# Altium PCB Kello.PcbDoc (part 1 of 2)
Units mm, origin at the board's own origin, x right, y up, seen from the top; angles counter-clockwise.
Board outline 146 x 44 mm, 2 copper layers (Top Layer, Bottom Layer), stack 1.071 mm thick; 130 components, 113 nets, 419 pads, 246 vias.
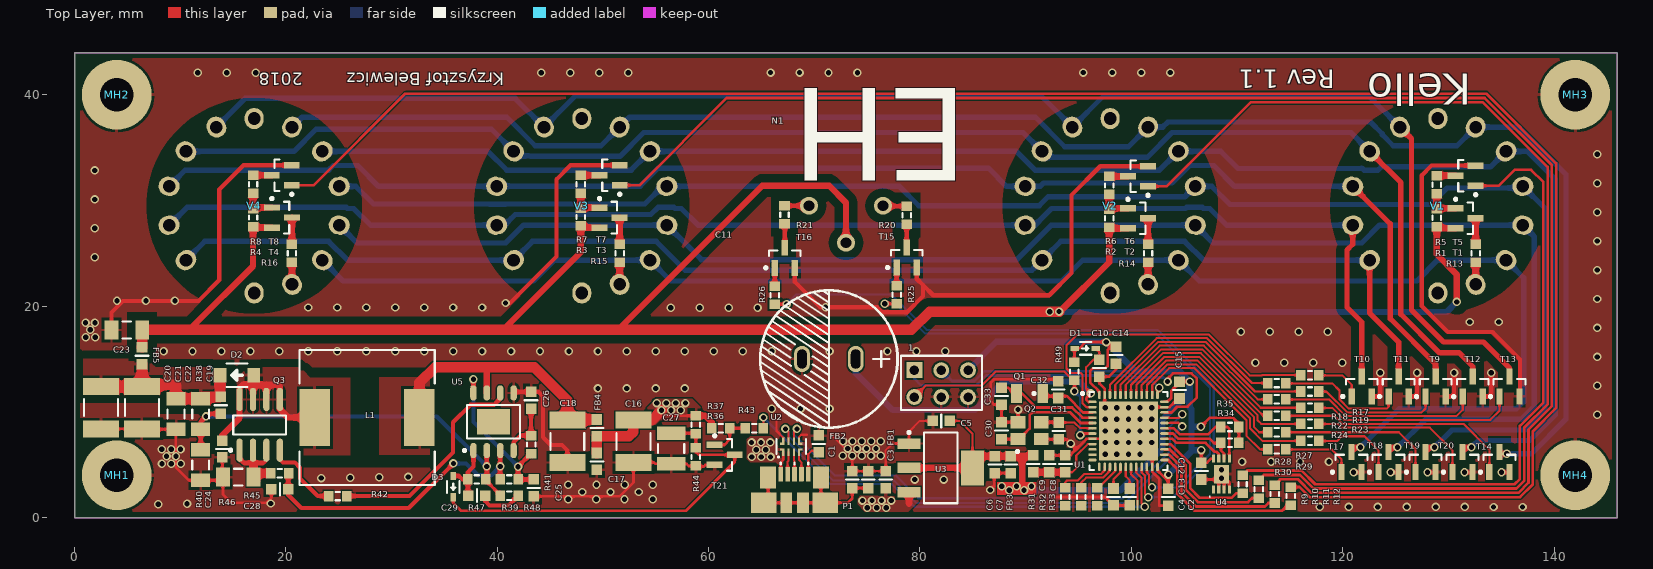
[diagram p0: Top Layer view]
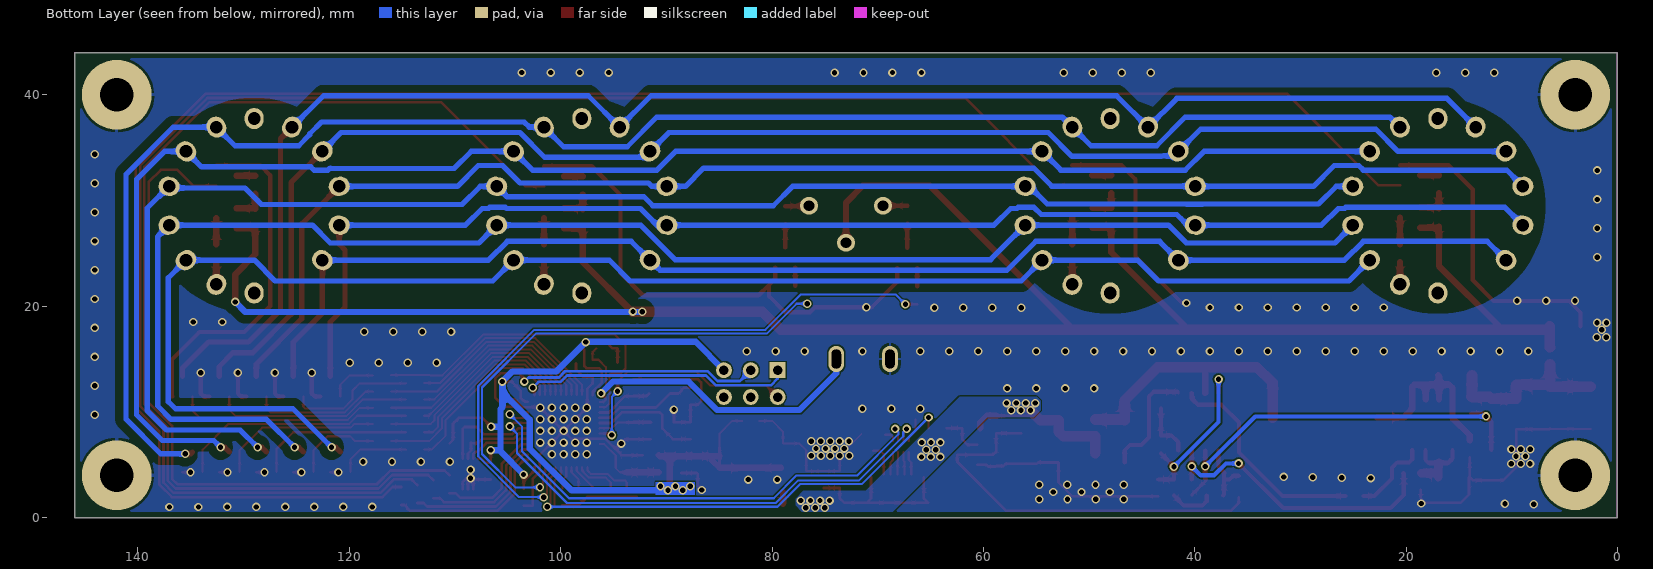
[diagram p1: Bottom Layer view, seen from below]

## Layer stack, top to bottom
Top Solder: solder mask 0.0102, Solder Resist, Dk 3.5
Top Layer: signal copper 0.0356
Dielectric 1: dielectric 1, FR-4, Dk 4.8
Bottom Layer: signal copper 0.0356
Bottom Solder: solder mask 0.0102, Solder Resist, Dk 3.5

## Board outline
0,0 0,44 146,44 146,0

## Design rules (kind name [scope] priority, off if disabled: settings)
Clearance "Clearance Polygon to HV" [InPolygon vs InNetClass('HIGH VOLTAGE')] p1: gap=0.8 ignorepadtopadclearanceinfootprint=FALSE
Clearance "Clearance Polygon to keepout" [OnLayer('Keep-Out Layer') vs InPolygon] p2: gap=0.5 ignorepadtopadclearanceinfootprint=FALSE
Clearance "Clearance Polygon to constraint" [OnLayer('Polygon Constraint') vs InPolygon] p3: gap=0.5 ignorepadtopadclearanceinfootprint=FALSE
Clearance "Schematic Clearance Constraint" [InNetClass('HIGH VOLTAGE')] p4: gap=0.5 ignorepadtopadclearanceinfootprint=FALSE
Clearance "Schematic Clearance Constraint_2" [InNet('NetC19_2')] p5: gap=0.5 ignorepadtopadclearanceinfootprint=FALSE
Clearance [All] p6: gap=0.152 ignorepadtopadclearanceinfootprint=FALSE
DiffPairsRouting [All] p1: maxlimit=1 minlimit=0.203 mostfreqgap=0.254 toplayer_minwidth=0.203 toplayer_maxwidth=0.6 toplayer_prefwidth=0.254 bottomlayer_minwidth=0.203 bottomlayer_maxwidth=0.6 bottomlayer_prefwidth=0.254 maxuncoupledlength=12.7
Height [All] p1: minheight=0 maxheight=100 prefheight=12.7
PlaneConnect [All] p1: pad.planeconnectstyle=Relief pad.reliefexpansion=0.508 pad.reliefentries=4 pad.reliefconductorwidth=0.254 pad.reliefairgap=0.254 via.planeconnectstyle=Direct via.reliefexpansion=0.508 via.reliefentries=4 via.reliefconductorwidth=0.254 via.reliefairgap=0.254
PolygonConnect [All] p1: thpad.connectstyle=Relief thpad.reliefconductorwidth=0.254 thpad.reliefentries=4 thpad.polygonreliefangle="90 Angle" thpad.airgapwidth=0.254 smdpad.connectstyle=Relief smdpad.reliefconductorwidth=0.254 smdpad.reliefentries=4 smdpad.polygonreliefangle="90 Angle" smdpad.airgapwidth=0.254 via.connectstyle=Direct via.reliefconductorwidth=0.254 via.reliefentries=4 via.polygonreliefangle="90 Angle" via.airgapwidth=0.254
RoutingVias [All] p1: holewidth=0.5 width=0.8 viastyle="Through Hole" minholewidth=0.3 minwidth=0.6 maxholewidth=1 maxwidth=2
SolderMaskExpansion [All] p1: expansion=0.102
Width [All] p1: maxlimit=1 minlimit=0.152 preferedwidth=0.254 minimp=50.000000 maximp=50.000000 favimp=50.000000
27 further rules are at their usual default settings.

## Classes and differential pairs
pad class MH: MH1-MH MH2-MH MH3-MH MH4-MH
net class "HIGH VOLTAGE": 170V K_0 K_1 K_2 K_3 K_4 K_5 K_6 K_7 K_8 K_9 NetC19_2 NetC24_2 NetN1_1 NetN1_3 NetR1_2 NetR2_2 NetR3_2 NetR4_2 NetR13_1 NetR13_2 NetR14_1 NetR14_2 NetR15_1 NetR15_2 NetR16_1 NetR16_2 NetR20_2 NetR21_2
component class Kello_uC: C1 C2 C3 C4 C5 C6 C7 C8 C9 C10 C11 C12 C13 C14 C15 C30 C31 C32 C33 D1 FB1 FB2 FB3 P1 Q1 Q2 R31 R32 R33 R34 R35 R49 U1 U2 U3 U4
component class Kello_Nixie: g N1 R1 R2 R3 R4 R5 R6 R7 R8 R9 R10 R11 R12 R13 R14 R15 R16 R17 R18 R19 R20 R21 R22 R23 R24 R25 R26 R27 R28 R29 R30 T1 T2 T3 T4 T5 T6 T7 T8 T9 T10 T11 T12 T13 T14 T15 T16 T17 T18 T19 T20 V1 V2 V3 V4
component class Kello_Nixie_PWR: C16 C17 C18 C19 C20 C21 C22 C23 C24 C25 C26 C27 C28 C29 D2 D3 FB4 FB5 L1 Q3 R36 R37 R38 R39 R40 R41 R42 R43 R44 R45 R46 R47 R48 T21 U5
component class Kello_Mechanical: MH1 MH2 MH3 MH4 SCR1 SCR2 SCR3 SCR4 SPCR1 SPCR2 SPCR3 SPCR4
differential pair USB_D: +USB_D_P -USB_D_N

## Components (designator, comment, footprint, x,y, rotation, side; value= is the part's Value field where it differs from the comment)
C1 "Capacitor" CAPC1608N 73.591,3.589 r270 top value=100n
C2 "Capacitor" CAPC1608N 99.837,1.945 r90 top value=470n
C3 "Capacitor" CAPC1608N 76.766,3.589 r270 top value=100n
C4 "Capacitor" CAPC1608N 98.313,1.945 r90 top value=47n
C5 "Capacitor" CAPC1608N 82.011,9.144 r0 top value=10u
C6 "Capacitor" CAPC1608N 87.095,5.007 r90 top value=1u
C7 "Capacitor" CAPC1608N 88.593,5.007 r90 top value=100n
C8 "Capacitor" CAPC1608N 93.76,5.08 r270 top value=1u
C9 "Capacitor" CAPC1608N 92.236,5.08 r270 top value=100n
C10 "Capacitor" CAPC1608N 96.974,14.132 r90 top value=100n
C11 "0.47F" FGH0V474ZF 71.381,15 r0 top
C12 "Capacitor" CAPC1608N 106.625,4.395 r90 top value=100n
C13 "Capacitor" CAPC1608N 103.507,1.928 r90 top value=100n
C14 "Capacitor" CAPC1608N 98.55,15.37 r90 top value=100n
C15 "Capacitor" CAPC1608N 104.555,12.065 r90 top value=100n
C16 "Capacitor" CAPC4532N 52.888,7.214 r90 top value=100u
C17 "Capacitor" CAPC1608N 49.43,5.302 r90 top value=100n
C18 "Capacitor" CAPC4532N 46.634,7.214 r90 top value=100u
C19 "Capacitor" CAPC1608N 13.841,10.619 r90 top value=100p
C20 "Capacitor" CAPC4532N 2.513,10.39 r90 top value=1u
C21 "Capacitor" CAPC4532N 6.389,10.39 r90 top value=1u
C22 "Capacitor" CAPC3216N 9.592,9.794 r90 top value=100n
C23 "Capacitor" CAPC3216N 4.951,17.756 r0 top value=100n
C24 "Capacitor" CAPC1608N 13.994,6.484 r90 top value=560p
C25 "Capacitor" CAPC1608N 43.459,2.801 r90 top value=100n
C26 "Capacitor" CAPC1608N 43.205,11.094 r270 top value=430p
C27 "Capacitor" CAPC3225N 56.444,6.528 r90 top value=47u
C28 "Capacitor" CAPC1608N 19.429,2.674 r0 top value=1n
C29 "Capacitor" CAPC1608N 38.076,2.077 r180 top value=220p
C30 "Capacitor" CAPC1608N 87.715,8.218 r270 top value=DNP
C31 "Capacitor" CAPC1608N 93.125,8.194 r90 top value=DNP
C32 "Capacitor" CAPC1608N 93.088,12.108 r270 top value=DNP
C33 "Capacitor" CAPC1608N 87.715,11.484 r90 top value=DNP
D1 "BAT54" SOD-523F 95.631,16.002 r0 top
D2 "ES1D" SUB-SMA 15.367,13.462 r180 top
D3 "BAT54" SOD-523F 35.839,2.928 r270 top
FB1 "Ferrite Bead" INDC1608N 75.115,3.589 r90 top value=120@100MHz
FB2 "Ferrite Bead" INDC1608N 70.416,6.964 r90 top value=120@100MHz
FB3 "Ferrite Bead" INDC1608N 90.712,5.08 r270 top value=120@100MHz
FB4 "Ferrite Bead" INDC1608N 49.43,8.477 r90 top value=60@100MHz
FB5 "Ferrite Bead" INDC1608N 6.389,15.305 r90 top value=60@100MHz
L1 "7447709330" WE_PD 27.686,9.464 r270 top value=33uH
MH1 "Mounting Hole" MH-M3_Copper 4,4 r0 top
MH2 "Mounting Hole" MH-M3_Copper 4,40 r0 top
MH3 "Mounting Hole" MH-M3_Copper 142,40 r0 top
MH4 "Mounting Hole" MH-M3_Copper 142,4 r0 top
N1 "NEON" NEON-9 73,29.5 r180 top
P1 "MicroUSB-B" "MicroUSB-B (47346-0001)" 68.13,0 r90 top
Q1 "Crystal 2 pin" IL3X2 90.382,11.738 r180 top value="32.768 kHz"
Q2 "24Mhz" CFPX-5 90.382,8.218 r0 top value="24 Mhz"
Q3 "FDS2672" SO8_N 17.524,8.77 r90 top
R1 "Resistor" RESC1608N 128.9,28.376 r90 top value=100k
R2 "Resistor" RESC1608N 97.9,28.314 r90 top value=100k
R3 "Resistor" RESC1608N 47.904,28.436 r90 top value=100k
R4 "Resistor" RESC1608N 16.896,28.383 r90 top value=100k
R5 "Resistor" RESC1608N 128.899,31.497 r90 top value=430k
R6 "Resistor" RESC1608N 97.9,31.422 r90 top value=430k
R7 "Resistor" RESC1608N 47.904,31.523 r90 top value=430k
R8 "Resistor" RESC1608N 16.896,31.531 r90 top value=430k
R9 "Resistor" RESC1608N 110.524,3.151 r90 top value=33k
R10 "Resistor" RESC1608N 112.048,2.676 r90 top value=33k
R11 "Resistor" RESC1608N 113.572,2.224 r90 top value=33k
R12 "Resistor" RESC1608N 115.096,2.03 r90 top value=33k
R13 "Resistor" RESC1608N 132.582,25.007 r270 top value=2k
R14 "Resistor" RESC1608N 101.582,25.007 r270 top value=2k
R15 "Resistor" RESC1608N 51.582,25.007 r270 top value=2k
R16 "Resistor" RESC1608N 20.574,25.015 r270 top value=2k
R17 "Resistor" RESC1608N 116.9,13.45 r0 top value=33k (schematic designator R29)
R18 "Resistor" RESC1608N 113.774,12.722 r0 top value=33k (schematic designator R30)
R19 "Resistor" RESC1608N 116.9,11.925 r0 top value=33k (schematic designator R18)
R20 "Resistor" RESC1608N 78.74,28.61 r270 top value=220k
R21 "Resistor" RESC1608N 67.183,28.649 r270 top value=220k
R22 "Resistor" RESC1608N 113.774,11.182 r0 top value=33k (schematic designator R17)
R23 "Resistor" RESC1608N 116.9,10.381 r0 top value=33k (schematic designator R19)
R24 "Resistor" RESC1608N 113.774,9.631 r0 top value=33k (schematic designator R22)
R25 "Resistor" RESC1608N 77.793,21.079 r90 top value=33k
R26 "Resistor" RESC1608N 66.261,21.029 r90 top value=33k
R27 "Resistor" RESC1608N 116.9,8.859 r0 top value=33k (schematic designator R23)
R28 "Resistor" RESC1608N 113.774,8.073 r0 top value=33k (schematic designator R24)
R29 "Resistor" RESC1608N 116.9,7.257 r0 top value=33k (schematic designator R27)
R30 "Resistor" RESC1608N 113.774,6.446 r0 top value=33k (schematic designator R28)
R31 "Resistor" RESC1608N 93.741,1.945 r90 top value=1k
R32 "Resistor" RESC1608N 95.265,1.945 r90 top value=1k
R33 "Resistor" RESC1608N 96.789,1.945 r90 top value=1k
R34 "Resistor" RESC1608N 109.332,7.06 r180 top value=2k
R35 "Resistor" RESC1608N 109.332,8.562 r180 top value=2k
R36 "Resistor" RESC1608N 61.143,8.453 r0 top value=100k
R37 "Resistor" RESC1608N 58.796,8.777 r270 top value=2k
R38 "Resistor" RESC3216N 11.944,9.794 r270 top value=634k
R39 "Resistor" RESC1608N 41.124,3.601 r180 top value=4.12k
R40 "Resistor" RESC3216N 11.944,4.968 r270 top value=7.68k
R41 "Resistor" RESC1608N 43.205,6.903 r90 top value=60.4k
R42 "Resistor" RESC1608N 24.892,2.032 r180 top value=0
R43 "Resistor" RESC1608N 64.318,8.453 r180 top value=1k
R44 "Resistor" RESC1608N 58.796,5.729 r270 top value=100k
R45 "Resistor" RESC1608N 19.429,4.198 r180 top value=1k
R46 "Resistor" RESC3216N 15.492,3.817 r180 top value=0.1
R47 "Resistor" RESC1608N 38.076,3.601 r0 top value=NC
R48 "Resistor" RESC1608N 41.124,2.074 r180 top value=0
R49 "Resistor" RESC1608N 94.613,13.82 r90 top value=2k
T1 "MMBTA92" SOT23-3N 131.628,28.315 r0 top
T2 "MMBTA92" SOT23-3N 100.628,28.309 r0 top
T3 "MMBTA92" SOT23-3N 50.632,28.375 r0 top
T4 "MMBTA92" SOT23-3N 19.624,28.383 r0 top
T5 "MMBTA42" SOT23-3N 131.628,32.347 r180 top
T6 "MMBTA42" SOT23-3N 100.628,32.285 r180 top
T7 "MMBTA42" SOT23-3N 50.64,32.386 r180 top
T8 "MMBTA42" SOT23-3N 19.612,32.381 r180 top
T9 "MMBTA42" SOT23-3N 128.791,12.39 r90 top (schematic designator T18)
T10 "MMBTA42" SOT23-3N 121.8,12.4 r90 top (schematic designator T17)
T11 "MMBTA42" SOT23-3N 125.293,12.4 r90 top
T12 "MMBTA42" SOT23-3N 132.304,12.39 r90 top (schematic designator T10)
T13 "MMBTA42" SOT23-3N 135.782,12.39 r90 top (schematic designator T9)
T14 "MMBTA42" SOT23-3N 134.832,5.244 r90 top (schematic designator T12)
T15 "MMBTA42" SOT23-3N 78.743,24.603 r90 top
T16 "MMBTA42" SOT23-3N 67.211,24.573 r90 top
T17 "MMBTA42" SOT23-3N 120.832,5.244 r90 top (schematic designator T13)
T18 "MMBTA42" SOT23-3N 124.331,5.244 r90 top (schematic designator T14)
T19 "MMBTA42" SOT23-3N 127.832,5.244 r90 top (schematic designator T20)
T20 "MMBTA42" SOT23-3N 131.332,5.244 r90 top (schematic designator T19)
T21 "MMBTA42" SOT23-3N 61.524,5.929 r0 top
U1 "STM32F042C6U6" STM-UFQFPN48_L 99.724,8.194 r0 top
U2 "ECMF02-4CMX8" uQFN-8 67.815,6.731 r90 top
U3 "LD1117AV33" SOT223_N 81.963,4.699 r0 top
U4 "AT24C04D" DFN-MC8 108.524,4.117 r90 top
U5 "UCC3803" "SOIC8+PAD (SOIC127P600X170_HS-9N)" 39.649,9.062 r90 top
V1 "Z566M Nixie Tube" Z566M 129,29.5 r0 top
V2 "Z566M Nixie Tube" Z566M 98,29.5 r0 top
V3 "Z566M Nixie Tube" Z566M 48,29.5 r0 top
V4 "Z566M Nixie Tube" Z566M 17,29.5 r0 top

## Footprints (in the part's own frame and the unit in brackets; to place one, negate y for a bottom-side part, rotate by r counter-clockwise, add the part's x,y. Pads: shape width x height; smd on the part's side, far side on the other; paste and mask are expansions set on the pad)
CAPC1608N [mm] "Chip Capacitor, Body 1.6x0.8mm, IPC Medium Density"
  rect 1x1 smd: 1(-0.8,0) 2(0.8,0)
  silkscreen extent 0,-0.6 0,0.6, body extent -0.8,-0.4 0.8,0.4, height 0.9
CAPC3216N [mm] "Chip Capacitor, Body 3.2x1.6mm, IPC Medium Density"
  rect 1.3x1.8 smd: 1(-1.45,0) 2(1.45,0)
  silkscreen extent -0.4,-0.8 0.4,0.8, body extent -1.6,-0.8 1.6,0.8, height 1
CAPC3225N [mm] "Chip Capacitor, Body 3.2x2.5mm, IPC Medium Density"
  rect 1.3x2.7 smd: 1(-1.45,0) 2(1.45,0)
  silkscreen extent -0.4,-1.25 0.4,1.25, body extent -1.6,-1.25 1.6,1.25, height 1
CAPC4532N [mm] "Chip Capacitor, Body 4.5x3.2mm, IPC Medium Density"
  rect 1.6x3.4 smd: 1(-2,0) 2(2,0)
  silkscreen extent -0.8,-1.6 0.8,1.6, body extent -2.25,-1.6 2.25,1.6, height 1
CFPX-5 [mm] "Quartz Crystal, SM; Body 3.4 x 2.7 mm (LxW max)"
  rect 1.4x1.15 smd: 1(-1.1,-0.8) 2(1.1,-0.8) 3(1.1,0.8) 4(-1.1,0.8)
  silkscreen extent -1.27,-2.09 -1.02,-1.84, body extent -1.65,-1.3 1.65,1.3, height 0.8
DFN-MC8 [mm] "SON, 8-Leads, Body 2x3mm, Pitch 0.5mm, Microchip Recommended"
  rect 0.75x0.3 smd: 1(-1.45,0.75) 2(-1.45,0.25) 3(-1.45,-0.25) 4(-1.45,-0.75) 5(1.45,-0.75) 6(1.45,-0.25) 7(1.45,0.25) 8(1.45,0.75)
  rect 1.75x1.45 smd: 9(0,0)
  silkscreen extent -2.18,1.05 -2.09,1.15, body extent -1.51,-1 1.51,1, height 0.6
FGH0V474ZF [mm]
  oval 1.5x2.5 hole 0.9 slot 1.8 at 90 deg: 1(2.54,0) 2(-2.54,0)
  silkscreen extent -6.5,-6.5 6.5,6.5, body extent -6.5,-6.5 6.5,6.5, height 7.5
IL3X2 [mm] "3,2x1,5x0,9mm"
  rect 1x1.8 smd: 1(-1.25,0) 2(1.25,0)
  silkscreen extent -0.53,-0.12 -0.28,0.12, body extent -1.6,-0.75 1.6,0.75, height 0.8
INDC1608N [mm] "Chip Inductor, Body 1.6x0.8mm, IPC Medium Density"
  rect 1x1 smd: 1(-0.8,0) 2(0.8,0)
  silkscreen extent 0,-0.6 0,0.6, body extent -0.8,-0.4 0.8,0.4, height 0.9
MH-M3_Copper [mm] "M3 screw Mounting Hole with copper without washer"
  round 6.6 hole 3.2 mask+1.8: MH(0,0)
"MicroUSB-B (47346-0001)" [mm]
  rrect20% 1.38x0.45 smd: 1(4.1,1.3) 2(4.1,0.65) 3(4.1,0) 4(4.1,-0.65) 5(4.1,-1.3)
  rect 1.9x2.4 smd: 6(1.4,2.9) 6(1.4,-2.9)
  rect 1.9x1.1 smd: 6(1.4,-0.8) 6(1.4,0.8)
  rect 2.1x1.5 smd: 6(3.8,-2.5) 6(3.8,2.5)
  silkscreen extent 5,-1.3 5.2,1.3, body extent -0.78,-3.99 4.65,3.99, height 2.72
NEON-9 [mm]
  round 1.7 hole 1: 1(-3.5,0) 2(0,3.5) 3(3.5,0)
  body extent -7,-7 7,7, height 78
RESC1608N [mm] "Chip Resistor, Body 1.6x0.8mm, IPC Medium Density"
  rect 0.9x1 smd: 1(-0.85,0) 2(0.85,0)
  silkscreen extent -0.2,-0.4 0.2,0.4, body extent -0.77,-0.42 0.78,0.43, height 0.45
RESC3216N [mm] "Chip Resistor, Body 3.2x1.6mm, IPC Medium Density"
  rect 1.3x1.8 smd: 1(-1.45,0) 2(1.45,0)
  silkscreen extent -0.4,-0.8 0.4,0.8, body extent -1.6,-0.8 1.6,0.8, height 0.55
SO8_N [mm] "SOIC, 8-Leads, Body 4.9x3.9mm, Pitch 1.27mm, IPC Medium Density"
  oval 2.2x0.6 smd: 1(-2.4,1.905) 2(-2.4,0.635) 3(-2.4,-0.635) 4(-2.4,-1.905) 5(2.4,-1.905) 6(2.4,-0.635) 7(2.4,0.635) 8(2.4,1.905)
  silkscreen extent -2.52,-2.5 0.9,2.88, body extent -3.02,-2.42 2.76,2.48, height 1.45
SOD-523F [mm] "SOD-523F, body 0.8mmx1.2mm"
  rect 0.8x0.5 smd: A(-1,0) K(1,0)
  silkscreen extent -0.5,-0.6 0.6,0.6, body extent -0.8,-0.4 0.8,0.4, height 0.7
"SOIC8+PAD (SOIC127P600X170_HS-9N)" [mm] "SOIC, 8-Leads, Body 4,90x3,90mm, Pitch 1,27mm, Thermal Pad 3,10x2,40mm, IPC Medium Density"
  oval 1.45x0.6 smd: 1(-2.725,1.905) 2(-2.725,0.635) 3(-2.725,-0.635) 4(-2.725,-1.905) 5(2.725,-1.905) 6(2.725,-0.635) 7(2.725,0.635) 8(2.725,1.905)
  rect 2.4x3.1 smd: 9(0,0)
  silkscreen extent -2.85,-2.5 1.6,2.88, body extent -3,-2.45 3,2.45, height 1.75
SOT23-3N [mm] "SOT23, 3-Leads, Body 2.9x1.3mm, Pitch 0.95mm, Lead Span 2.5mm, IPC Medium Density"
  rect 1.5x0.6 smd: 1(-0.95,0.95) 2(-0.95,-0.95) 3(0.95,0)
  silkscreen extent -1.07,-1.5 0.7,1.92, body extent -1.25,-1.5 1.25,1.5, height 1.05
SOT223_N [mm] "SOT223, 4-Leads, Body 6.5x3.5mm, Pitch 2.3mm, Lead Span 7mm, IPC Medium Density"
  rect 2.2x1 smd: 1(-3,2.3) 2(-3,0) 3(-3,-2.3)
  rect 2.2x3.3 smd: 2(3,0)
  silkscreen extent -3.12,-3.35 1.6,3.47, body extent -3.61,-3.25 3.35,3.25, height 1.66
STM-UFQFPN48_L [mm] "QFN, 48-Leads, Body 7.1x7.1mm, Pitch 0.5mm, Thermal Pad 5.6x5.6mm, IPC High Density"
  oval 0.8x0.25 smd: 1(-3.4,2.75) 2(-3.4,2.25) 3(-3.4,1.75) 4(-3.4,1.25) 5(-3.4,0.75) 6(-3.4,0.25) 7(-3.4,-0.25) 8(-3.4,-0.75) 9(-3.4,-1.25) 10(-3.4,-1.75) 11(-3.4,-2.25) 12(-3.4,-2.75) 25(3.4,-2.75) 26(3.4,-2.25) 27(3.4,-1.75) 28(3.4,-1.25) 29(3.4,-0.75) 30(3.4,-0.25) 31(3.4,0.25) 32(3.4,0.75) 33(3.4,1.25) 34(3.4,1.75) 35(3.4,2.25) 36(3.4,2.75)
  oval 0.25x0.8 smd: 13(-2.75,-3.4) 14(-2.25,-3.4) 15(-1.75,-3.4) 16(-1.25,-3.4) 17(-0.75,-3.4) 18(-0.25,-3.4) 19(0.25,-3.4) 20(0.75,-3.4) 21(1.25,-3.4) 22(1.75,-3.4) 23(2.25,-3.4) 24(2.75,-3.4) 37(2.75,3.4) 38(2.25,3.4) 39(1.75,3.4) 40(1.25,3.4) 41(0.75,3.4) 42(0.25,3.4) 43(-0.25,3.4) 44(-0.75,3.4) 45(-1.25,3.4) 46(-1.75,3.4) 47(-2.25,3.4) 48(-2.75,3.4)
  rect 5.6x5.6 smd: 49(0,0)
  silkscreen extent -4.47,-3.7 3.7,3.7, body extent -3.5,-3.5 3.5,3.5, height 0.55
SUB-SMA [mm]
  rect 1.2x1.4 smd mask+0.02: A(-1.6,0) K(1.6,0)
  silkscreen extent -1,-1.1 1,1.1, body extent -1.85,-0.9 1.85,0.9, height 1.35
uQFN-8 [mm]
  rrect20% 0.7x0.2 smd: 1(-0.55,0.75) 2(-0.55,0.25) 3(-0.55,-0.25) 4(-0.55,-0.75) 5(0.5,-0.75) 6(0.5,-0.25) 7(0.5,0.25) 8(0.5,0.75)
  rrect20% 0.2x0.4 smd: 1(-0.3,0.85) 4(-0.3,-0.85) 5(0.25,-0.85) 8(0.25,0.85)
  silkscreen extent -1.05,-1.4 0.7,1.4, body extent -0.6,-1.25 0.6,1.25, height 0.55
WE_PD [mm] "12x12x10mm"
  rect 5.4x2.9 smd: 1(0,4.95) 2(0,-4.95)
  silkscreen extent -6.4,-6.4 6.4,6.4, body extent -6,-6 6,6, height 7.98
Z566M [mm] "Z566M Nixie Tube"
  oval 1.8x2 hole 1.2: 1(0,-8.255) 8(0,8.255)
  oval 1.8x2 hole 1.2 rot 25.71: 2(3.582,-7.438) 9(-3.581,7.438)
  oval 1.8x2 hole 1.2 rot 51.43: 3(6.454,-5.147) 10(-6.454,5.147)
  oval 1.8x2 hole 1.2 rot 77.14: 4(8.048,-1.837) 11(-8.048,1.837)
  oval 1.8x2 hole 1.2 rot 102.86: 5(8.048,1.837)
  oval 1.8x2 hole 1.2 rot 128.57: 6(6.454,5.147) 13(-6.454,-5.147)
  oval 1.8x2 hole 1.2 rot 154.28: 7(3.582,7.437)
  oval 1.8x2 hole 1.2 rot 102.85: 12(-8.048,-1.836)
  body extent -14.26,-14.26 14.26,14.26, height 72.5

## Part data
C1 C3 C7 C9 C10 C12 C13 C14 C15 C17 C25: Manufacturer 1=SAMSUNG, Manufacturer Part Number 1=CL10F104ZA8NNNC, MaxVoltage=25V, Tolerance=-20/+80%, Supplier 1=TME, Supplier Part Number 1=CL10F104ZA8NNNC
C2: Manufacturer 1=WALSIN, Manufacturer Part Number 1=0603B474K100CT, MaxVoltage=10V, Supplier Part Number 1=2524844, Tolerance=10%, Supplier 1=Farnell
C4: Manufacturer 1=VISHAY, Manufacturer Part Number 1=VJ0603Y473KXJCW1BC, MaxVoltage=16V, Tolerance=10%, Supplier 1=TME, Supplier Part Number 1=VJ0603Y473KXJCW1BC
C5: Manufacturer 1=MURATA, Manufacturer Part Number 1=GRM188R60J106ME47D, MaxVoltage=6.3V, Tolerance=20%, Supplier 1=TME, Supplier Part Number 1=GRM188R60J106ME47D
C6 C8: Manufacturer 1=MURATA, Manufacturer Part Number 1=GCM188R71E105KA64D, MaxVoltage=25V, Tolerance=10%, Supplier 1=TME, Supplier Part Number 1=GCM188R71E105KA64D
C11: library part FGH0V474ZF, "Kondensator: elektrolityczny; 0.47F; 3,5VDC; ESR:25?; SMD; -20÷+80%", Manufacturer 1=KEMET, Max Voltage=3.5V, ESR=25Ohm, Manufacturer Part Number 1=FGH0V474ZF, Supplier 1=TME, Supplier Part Number 1=FGH0V474ZF
C16 C18: Manufacturer 1=TDK, Manufacturer Part Number 1=C4532X5R1A107M280KC, MaxVoltage=10V, Supplier Part Number 1=2525204, Tolerance=20%, Supplier 1=Farnell
C19: Manufacturer 1="WURTH ELEKTRONIK", Manufacturer Part Number 1=885342006003, MaxVoltage=250V, Supplier Part Number 1=2812519, Tolerance=5%, Supplier 1=Farnell
C20 C21: Manufacturer 1=TDK, Manufacturer Part Number 1=CGA8P3X7T2E105K250KA, MaxVoltage=250V, Supplier Part Number 1=2435499, Tolerance=10%, Supplier 1=Farnell
C22 C23: Manufacturer 1=KEMET, Manufacturer Part Number 1=C1206C104KARECAUTO, MaxVoltage=250V, Supplier Part Number 1=2852360, Tolerance=10%, Supplier 1=Farnell
C24: Manufacturer 1=KEMET, Manufacturer Part Number 1=C0603C561JAGACAUTO, MaxVoltage=250V, Supplier Part Number 1=2810275, Tolerance=5%, Supplier 1=Farnell
C26: Manufacturer 1=KEMET, Manufacturer Part Number 1=C0603C431J5GACTU, MaxVoltage=50V, Supplier Part Number 1=2821196, Tolerance=5%, Supplier 1=Farnell
C27: Manufacturer 1=KEMET, Manufacturer Part Number 1=C1210C476M4PACTU, MaxVoltage=16V, Supplier Part Number 1=1838761, Tolerance=20%, Supplier 1=Farnell
C28: Manufacturer 1=VISHAY, Manufacturer Part Number 1=VJ0603Y102KXACW1BC, MaxVoltage=50V, Tolerance=10%, Supplier 1=TME, Supplier Part Number 1=VJ0603Y102KXACW1BC
C29: Manufacturer 1=VISHAY, Manufacturer Part Number 1=VJ0603Y221KXACW1BC, MaxVoltage=50V, Tolerance=10%, Supplier 1=TME, Supplier Part Number 1=VJ0603Y221KXACW1BC
D1 D3: library part BAT54XV2, "Fairchild BAT54XV2, Schottky, 200mA, 30V", Forward Current=200mA, Manufacturer=Fairchild, Max Reverse Voltage=30V, Supplier Part Number 1=2322476, Manufacturer Part Number=BAT54XV2, Supplier 1=Farnell, Supplier 2=RS-Components, Supplier Part Number 2=690-0029
D2: library part SS19L, "Dioda: prostownicza; SMD; 200V; 1A; 15ns; 1,47W; SMA; Ifsm:30A", Manufacturer="ON SEMICONDUCTOR", Max Current=1A, Max Reverse Voltage=200V, Manufacturer Part Number=ES1D, Supplier 1=TME, Supplier Part Number 1=ES1D
FB1 FB2 FB3: library part Inductor, Max Current=3A, Supplier Part Number 1=BLM18KG121TN1D, Supplier 1=TME
FB4 FB5: library part Inductor, Manufacturer 1=MURATA, Manufacturer Part Number 1=BLM18BB600SN1D, Max Current=0.55A, Supplier 1=TME, Supplier Part Number 1=BLM18BB600SN1D
L1: "Cewka zasilaj¹ca (SMD), 33 µH, 4.2 A, Os³oniête, 5.5 A, Seria WE-PD, 12mm x 12mm x 10mm", Manufacturer 1="WURTH ELEKTRONIK", Max Current RMS=4.2A, Supplier Part Number 1=2082654, Tolerance=20%, Manufacturer Part Number 1=7447709330, Supplier 1=Farnell
MH1 MH2 MH3 MH4: library part MH, "M3 mounting hole"
N1: library part NEON-9, "Neon Tube", Supplier 1=TME, Supplier Part Number 1=NEON-9
P1: library part 47346-0001, "Molex MicroUSB-B, SMD (P/N 47346-0001)", Manufacturer 1=MOLEX, Manufacturer Part Number 1=473460001, Supplier Part Number 1=MX-47346-0001, Supplier 1=TME
Q1: Manufacturer 1=ILSI, Manufacturer Part Number 1=IL3X2-HX5F12.5-32.768KHZ, Supplier 1=TME, Supplier Part Number 1=IL3X2-HX5F12.5-32.768KHZ
Q2: library part "Crystal 4 pin", Manufacturer 1="SR PASSIVES", Manufacturer Part Number 1=3225-24M-SR, Supplier 1=TME, Supplier Part Number 1=3225-24M-SR
Q3: "Tranzystor: N-MOSFET; unipolarny; 200V; 3,9A; 2,5W; SO8; UltraFET®", Manufacturer 1="ON SEMICONDUCTOR (FAIRCHILD)", Max Current=3.9A, Max Voltage=200V, Manufacturer Part Number 1=FDS2672, Supplier 1=TME, Supplier Part Number 1=FDS2672
R1 R2 R3 R4 R36 R44: Manufacturer 1=VISHAY, Manufacturer Part Number 1=CRCW0603100KFKEA, Power=0.1W, Tolerance=1%, Supplier 1=TME, Supplier Part Number 1=CRCW0603100KFKEA
R5 R6 R7 R8: Supplier Part Number 1=SMD0603-430k, Tolerance=1%, Supplier 1=TME
R9 R10 R11 R12 R17 R18 R19 R22 R23 R24 R25 R26 R27 R28 R29 R30: Supplier Part Number 1=SMD0603-33k, Tolerance=1%, Supplier 1=TME
R13 R14 R15 R16 R34 R35 R37 R49: Manufacturer 1="ROYAL OHM", Manufacturer Part Number 1=0603SAF2001T5E, Power=0.1W, Supplier Part Number 1=SMD0603-2K-1%, Tolerance=1%, Supplier 1=TME
R20 R21: Supplier Part Number 1=SMD0603-220k, Tolerance=1%, Supplier 1=TME
R31 R32 R33 R43 R45: Manufacturer 1="ROYAL OHM", Manufacturer Part Number 1=0603SAF1001T5E, Power=0.1W, Supplier Part Number 1=SMD0603-1K-1%, Tolerance=1%, Supplier 1=TME
R38: Manufacturer 1=VISHAY, Manufacturer Part Number 1=CRCW1206634KFKEA., Power=0.25W, Supplier Part Number 1=2139670, Tolerance=1%, Supplier 1=Farnell
R39: Manufacturer 1=VISHAY, Manufacturer Part Number 1=CRCW06034K12FKEA, Power=0.1W, Supplier Part Number 1=1652883, Tolerance=1%, Supplier 1=Farnell
R40: Manufacturer 1=PANASONIC, Manufacturer Part Number 1=ERJ8ENF7681V, Power=0.25W, Supplier Part Number 1=2307849, Tolerance=1%, Supplier 1=Farnell
R41: Manufacturer 1=VISHAY, Manufacturer Part Number 1=CRCW060360K4FKEA., Power=0.1W, Supplier Part Number 1=2138476, Tolerance=1%, Supplier 1=Farnell
R42 R48: Manufacturer 1=VISHAY, Manufacturer Part Number 1=CRCW06030000Z0TABC, Power=0.1W, Tolerance=1%, Supplier 1=TME, Supplier Part Number 1=CRCW06030000Z0TABC
R46: Manufacturer 1=WELWYN, Manufacturer Part Number 1=LR1206-R10FW, Power=0.5W, Supplier Part Number 1=1099914, Tolerance=1%, Supplier 1=Farnell
R47: Power=0.1W, Tolerance=1%
T1 T2 T3 T4: library part 2N5087, "PNP Transistor", Supplier 1=TME, Supplier Part Number 1=MMBTA92
T5 T6 T7 T8 T9 T10 T11 T12 T13 T14 T15 T16 T17 T18 T19 T20 T21: library part 2N3707, "NPN Transistor", Supplier Part Number 1=MMBTA42LT1G, Supplier 1=TME
U1: "ARM Cortex-M0 32-bit MCU, 32 KB Flash, 6 KB Internal RAM, 38 I/Os, 48-pin UFQFPN, -40 to 85 degC", I/Os (High Current)=38, Operating Frequency(F) (Processor speed) (MHz)=48, Supply Voltage(Vcc) min (V)=2, ComponentLink1Description="Manufacturer URL", ComponentLink1URL=http://www.st.com/web/en/home.html, ComponentLink2Description=Datasheet, ComponentLink2URL=http://www.st.com/st-web-ui/static/active/en/resource/technical/document/datasheet/DM00039193.pdf, ComponentLink3Description="Package Specification", ComponentLink3URL=http://www.st.com/st-web-ui/static/active/en/resource/technical/document/datasheet/DM00058181.pdf, Core="ARM Cortex-M0", DatasheetVersion="Rev. 3", FLASH Size (Prog) (kB)=32, Internal RAM Size (kB)=6, Mounting Technology="Surface Mount", PackageDescription="48-Pin Low Profile Quad Flat Package, 7 x 7 mm Body, 0.5 mm Pitch", PackageReference=UFQFPN48, PackageVersion="Rev. 6, 06/2013", Packing=Tray, PartNumber=STM32F042C6U6, Supplier 1=TME, Supplier Part Number 1=STM32F042C6U6
U2: "STMicroelectronics Common Mode Filter with ESD protection, USB compatible", Manufacturer=STMicroelectronics, Supplier Part Number 1=2629721, Manufacturer Part Number=ECMF02-4CMX8, Supplier 1=Farnell
U3: library part LD1117AS33TR, "Stabilizator napiêcia; LDO, liniowy, nieregulowany; 3,3V; 1A; SMD", Manufacturer 1="ST MICROELECTRONICS", Max Current=1A, Output Voltage=3.3V, Supplier Part Number 1=LD1117AS33, Manufacturer Part Number 1=LD1117AS33TR, Supplier 1=TME
U4: library part AT24C04D-MAHM-T, "4Kbit, 1MHz, 1.7V-3.6V, I2C Serial EEPROM, 8-Pin DFN, Industrial Temperature, Tape and Reel", Manufacturer 1=MICROCHIP, Manufacturer Part Number 1=AT24C04D-MAHM-T, PackageReference=DFN-MC8, Supplier 1=TME, Supplier Part Number 1=AT24C04D-MAHM-T
U5: "Kontroler PWM current mode, zasilanie 12V-3.6V, 1 MHz, wyjœcie 1V/1A, SOIC-8", Manufacturer 1="TEXAS INSTRUMENTS", Manufacturer Part Number 1=UCC3803D, Supplier Part Number 1=2323690, Supplier 1=Farnell
V1 V2 V3 V4: library part Z566M

## Free pads (board coordinates)
  rect 1.5x1.5 hole 0.9: 1(79.47,13.943)
  round 1.5 hole 0.9: 2(79.47,11.403) 3(82.01,13.943) 4(82.01,11.403) 5(84.55,13.943) 6(84.55,11.403)
  rect 0.203x1 smd: ""(100.591,1.145)

## Via types
v1: diameter 0.8, hole 0.5, Top Layer to Bottom Layer, tented both sides, 220 vias
v2: diameter 0.8, hole 0.5, Top Layer to Bottom Layer, tented bottom, 26 vias

## Nets (pads, with @x,y where several pads share a name; then routed paths per layer and width w, separated by ;. In a path a pad name is that pad's centre, name@x,y a point inside that pad or via, vN(x,y) a via of type N, cw(c..) or ccw(c..) an arc to the next point about the centre after c; other vN are vias at no path point)
3V3: C5.2 C6.2 C7.2 C12.2 C13.2 C14.2 C15.2 D1.A FB3.1 pad.5 R34.1 R35.1 R49.2 U1.24 U1.36 U1.48 U3.2 U4.8 | length 105
  Top Layer w0.203: U3.2@78.963,4.699 U3.2@79.155,4.699 ; C5.2@82.811,9.144 83.751,9.144 84.963,7.932 84.963,5.807 U3.2@84.963,4.699
  Top Layer w0.254: R49.2@94.613,14.67 94.613,15.984 D1.A@94.631,16.002 95.081,16.002 95.681,16.602 v1(97.632,16.602) 98.061,16.173 98.061,16.17 97.753,15.862 97.753,14.316 97.569,14.132 96.374,14.132 96.104,13.861 96.104,12.775 96.974,11.905 U1.48@96.974,11.594 ; U1.24@102.474,4.794 102.474,4.46 103.507,3.427 ; U1.36@103.124,10.944 103.392,10.944 103.776,11.328 103.776,11.98 C15.2@104.555,12.759 ; C13.2@103.507,2.728 103.507,3.427 ; v1(103.507,4.064) 103.507,3.427 ; C15.2@104.555,12.865 v1(105.518,12.865) ; v1(106.587,8.587) 107.444,9.444 109.603,9.444 110.182,8.865 R35.1@110.182,8.562 110.182,7.341 R34.1@110.485,7.038 ; v1(106.625,6.381) C12.2@106.625,5.195 107.159,5.195 107.531,5.567 U4.8@107.774,5.567
  Top Layer w0.6: U3.2@79.155,4.699 U3.2@84.963,4.699 U3.2@85.69,5.426 ; U3.2@84.963,5.807 C6.2@87.095,5.807 C7.2@88.593,5.807 89.662,5.807 ; v1@89.662,2.88 89.662,5.807 ; FB3.1@90.712,5.88 90.639,5.807 89.662,5.807
  Bottom Layer w0.6: pad.5@84.55,13.943 87.228,16.621 97.613,16.621 v1(97.632,16.602) 100.414,13.82 104.563,13.82 v1(105.518,12.865) 105.518,11.86 ; v1(89.847,2.567) 98.971,2.567 102.926,6.523 102.926,9.268 105.518,11.86 ; v1(103.507,4.064) 105.698,6.255 ; v1(106.587,8.587) 105.747,8.587 105.698,8.636 ; v1(106.625,6.381) 105.824,6.381 105.698,6.255 ; 105.518,11.86 105.518,10.412 105.698,10.233 105.698,8.636 ; 105.698,6.255 105.698,8.636
  other v1: 88.439,2.567 87.735,2.951 89.143,2.951 90.551,2.951
3V3_A: C8.2 C9.2 FB3.2 U1.9 | length 7.4
  Top Layer w0.203: C8.2@93.76,4.28 94.399,4.28 94.79,4.671 94.79,5.863 95.871,6.944 U1.9@96.324,6.944
  Top Layer w0.6: FB3.2@90.712,4.28 C9.2@92.236,4.28 C8.2@93.76,4.28
170V: C23.2 FB5.2 N1.2 R1.1 R2.1 R3.1 R4.1 T1.2 T2.2 T3.2 T4.2 | length 209.1
  Top Layer w0.6: 11.199,18.099 16.896,23.796 R4.1@16.896,27.533 16.996,27.433 T4.2@18.674,27.433 ; 40.911,18.099 47.904,25.092 R3.1@47.904,27.586 48.065,27.425 T3.2@49.682,27.425 ; 51.788,18.099 65.089,31.4 71.4,31.4 73,29.8 N1.2@73,26 ; v1@93.2,19.445 97.9,24.145 R2.1@97.9,27.464 98.005,27.359 T2.2@99.678,27.359 ; T1.2@130.678,27.365 129.061,27.365 R1.1@128.9,27.526 128.9,24.9 130.8,23 v1(130.8,20.4)
  Top Layer w1: FB5.2@6.389,16.105 6.401,16.117 6.401,18.099 6.744,17.756 79.187,17.756 80.916,19.485 v1(93.16,19.485)
  Bottom Layer w0.6: v1@92.284,19.445 96.7,19.445 125.791,19.445 129.845,19.445 v1(130.8,20.4)
  other v1: 92.284,19.479
+5V: C3.2 C16.2 C17.2 FB4.1 P1.1 R36.1 R37.1 U2.1 U3.3 | length 18.2
  Top Layer w0.203: P1.1@66.83,4.1 66.83,5.2 67.065,5.435 U2.1@67.065,6.181
  Top Layer w0.254: 55.54,9.627 R37.1@58.796,9.627
  Top Layer w0.6: R37.1@58.796,9.627 59.668,9.627 60.293,9.002 R36.1@60.293,8.453 ; 78.963,1.315 U3.3@78.963,2.399
  Top Layer w1: C17.2@49.43,6.102 FB4.1@49.43,7.677 52.454,7.677 52.888,8.111 C16.2@52.888,9.214 54.61,9.214 v1(55.54,10.144)
  other v1: 75.005,0.916 75.911,0.916 76.817,0.916 74.552,1.601 75.458,1.601 76.364,1.601 77.27,1.601 64.083,5.733 64.972,5.733 65.861,5.733 64.519,6.418 65.408,6.418 64.066,7.103 64.955,7.103 65.844,7.103 56.446,10.144 57.352,10.144 55.087,10.829 55.993,10.829 56.899,10.829 57.805,10.829
Anode_1: R9.1 U1.28 | length 11
  Top Layer w0.254: U1.28@103.124,6.944 103.709,6.944 105.561,5.092 105.561,2.773 106.473,1.861 109.493,1.861 109.933,2.301 R9.1@110.524,2.301
Anode_2: R10.1 U1.27 | length 12.5
  Top Layer w0.254: U1.27@103.124,6.444 103.635,6.444 105.155,4.924 105.155,2.604 106.304,1.455 111.033,1.455 111.405,1.826 R10.1@112.048,1.826
Anode_3: R11.1 U1.26 | length 14
  Top Layer w0.254: U1.26@103.124,5.944 103.56,5.944 104.749,4.755 104.749,2.436 106.136,1.048 112.632,1.048 112.958,1.374 R11.1@113.572,1.374
Anode_4: R12.1 U1.25 | length 15.5
  Top Layer w0.254: U1.25@103.124,5.444 103.485,5.444 104.342,4.587 104.342,2.268 105.968,0.642 114.258,0.642 114.796,1.18 R12.1@115.096,1.18
Digit_0: R29.1 U1.39 | length 19.9
  Top Layer w0.203: U1.39@101.474,11.594 101.474,12.536 103.425,14.487 106.128,14.487 111.242,9.374 111.242,8.417 112.402,7.257 R29.1@116.05,7.257
Digit_1: R30.1 U1.38 | length 16.6
  Top Layer w0.203: U1.38@101.974,11.594 101.974,12.533 103.573,14.132 105.981,14.132 110.886,9.227 110.886,7.957 110.882,7.953 110.882,7.731 112.167,6.446 R30.1@112.924,6.446
Digit_2: R18.1 U1.46 | length 19.5
  Top Layer w0.203: U1.46@97.974,11.594 97.974,12.556 102.394,16.976 107.159,16.976 111.414,12.722 R18.1@112.924,12.722
Digit_3: R17.1 U1.2 | length 32
  Top Layer w0.203: U1.2@96.324,10.444 95.762,10.444 95.367,10.839 95.367,13.525 95.218,13.674 94.286,13.674 93.859,14.101 93.859,16.289 94.902,17.332 107.307,17.332 111.189,13.45 112.343,13.45 112.369,13.476 116.05,13.476 R17.1@116.05,13.45
Digit_4: R19.1 U1.45 | length 22.2
  Top Layer w0.203: U1.45@98.474,11.594 98.474,12.553 102.542,16.621 107.012,16.621 111.708,11.925 112.358,11.925 112.369,11.936 116.05,11.936 R19.1@116.05,11.925
Digit_5: R22.1 U1.44 | length 18.6
  Top Layer w0.203: U1.44@98.974,11.594 98.974,12.55 102.689,16.265 106.865,16.265 111.948,11.182 R22.1@112.924,11.182
Digit_6: R23.1 U1.43 | length 21.2
  Top Layer w0.203: U1.43@99.474,11.594 99.474,12.547 102.836,15.91 106.718,15.91 112.246,10.381 112.365,10.381 112.369,10.385 116.05,10.385 R23.1@116.05,10.381
Digit_7: R24.1 U1.42 | length 17.6
  Top Layer w0.203: U1.42@99.974,11.594 99.974,12.545 102.983,15.554 106.57,15.554 112.493,9.631 R24.1@112.924,9.631
Digit_8: R27.1 U1.41 | length 20.5
  Top Layer w0.203: U1.41@100.474,11.594 100.474,12.542 103.131,15.198 106.423,15.198 111.953,9.669 111.953,9.184 112.278,8.859 R27.1@116.05,8.859
Digit_9: R28.1 U1.40 | length 17.2
  Top Layer w0.203: U1.40@100.974,11.594 100.974,12.539 103.278,14.843 106.276,14.843 111.597,9.521 111.597,8.576 112.1,8.073 R28.1@112.924,8.073
Dot_H: R25.1 U1.22 | length 50.4
  Top Layer w0.203: v1(76.675,20.229) R25.1@77.793,20.229 ; U1.22@101.474,4.794 101.474,4.258 101.658,4.074 101.658,3.151 v1(101.957,2.852)
  Bottom Layer w0.203: v1(76.675,20.229) 77.665,20.229 80.494,17.4 102.343,17.4 107.444,12.299 107.444,6.014 104.283,2.852 v1(101.957,2.852)
Dot_L: R26.1 U1.21 | length 63.1
  Top Layer w0.203: R26.1@66.261,20.179 v1(67.379,20.179) ; U1.21@100.974,4.794 100.974,4.255 101.302,3.927 101.302,2.213 v1@101.611,1.905
  Bottom Layer w0.203: v1(67.379,20.179) 68.3,21.1 77.297,21.1 80.641,17.756 102.49,17.756 107.8,12.446 107.8,5.783 103.945,1.928 v1(101.611,1.928)
EE_SCL: R34.2 U1.30 U4.6 | length 7.3
  Top Layer w0.254: U1.30@103.124,7.944 103.949,7.944 104.427,7.466 107.376,7.466 107.804,7.038 R34.2@108.482,7.038 ; R34.2@108.482,7.06 R34.2@108.482,7.038 ; U4.6@108.774,5.567 108.774,6.062 108.482,6.354 R34.2@108.482,7.038
EE_SDA: R35.2 U1.31 U4.5 | length 9.6
  Top Layer w0.254: U1.31@103.124,8.444 104.024,8.444 104.595,7.873 107.265,7.873 107.954,8.562 R35.2@108.482,8.562 109.1,8.562 109.274,8.388 U4.5@109.274,5.567
EE_WP: U1.29 U4.7 | length 6.2
  Top Layer w0.254: U1.29@103.124,7.444 103.875,7.444 104.259,7.06 107.032,7.06 107.871,6.221 108.04,6.221 108.274,5.987 U4.7@108.274,5.567